# Altium PCB PCBDesign.PcbDoc (part 1 of 8)
Units mm, origin at the board's own origin, x right, y up, seen from the top; angles counter-clockwise.
Board outline 95 x 70 mm, 10 copper layers (L1 (Sig), L2 (GND), L3 (Sig), L4 (GND), L5 (Sig), L6 (GND), L7 (Sig), L8 (GND), L9 (PWR), L10 (Sig)), stack 1.566 mm thick; 290 components, 365 nets, 1923 pads, 1420 vias.
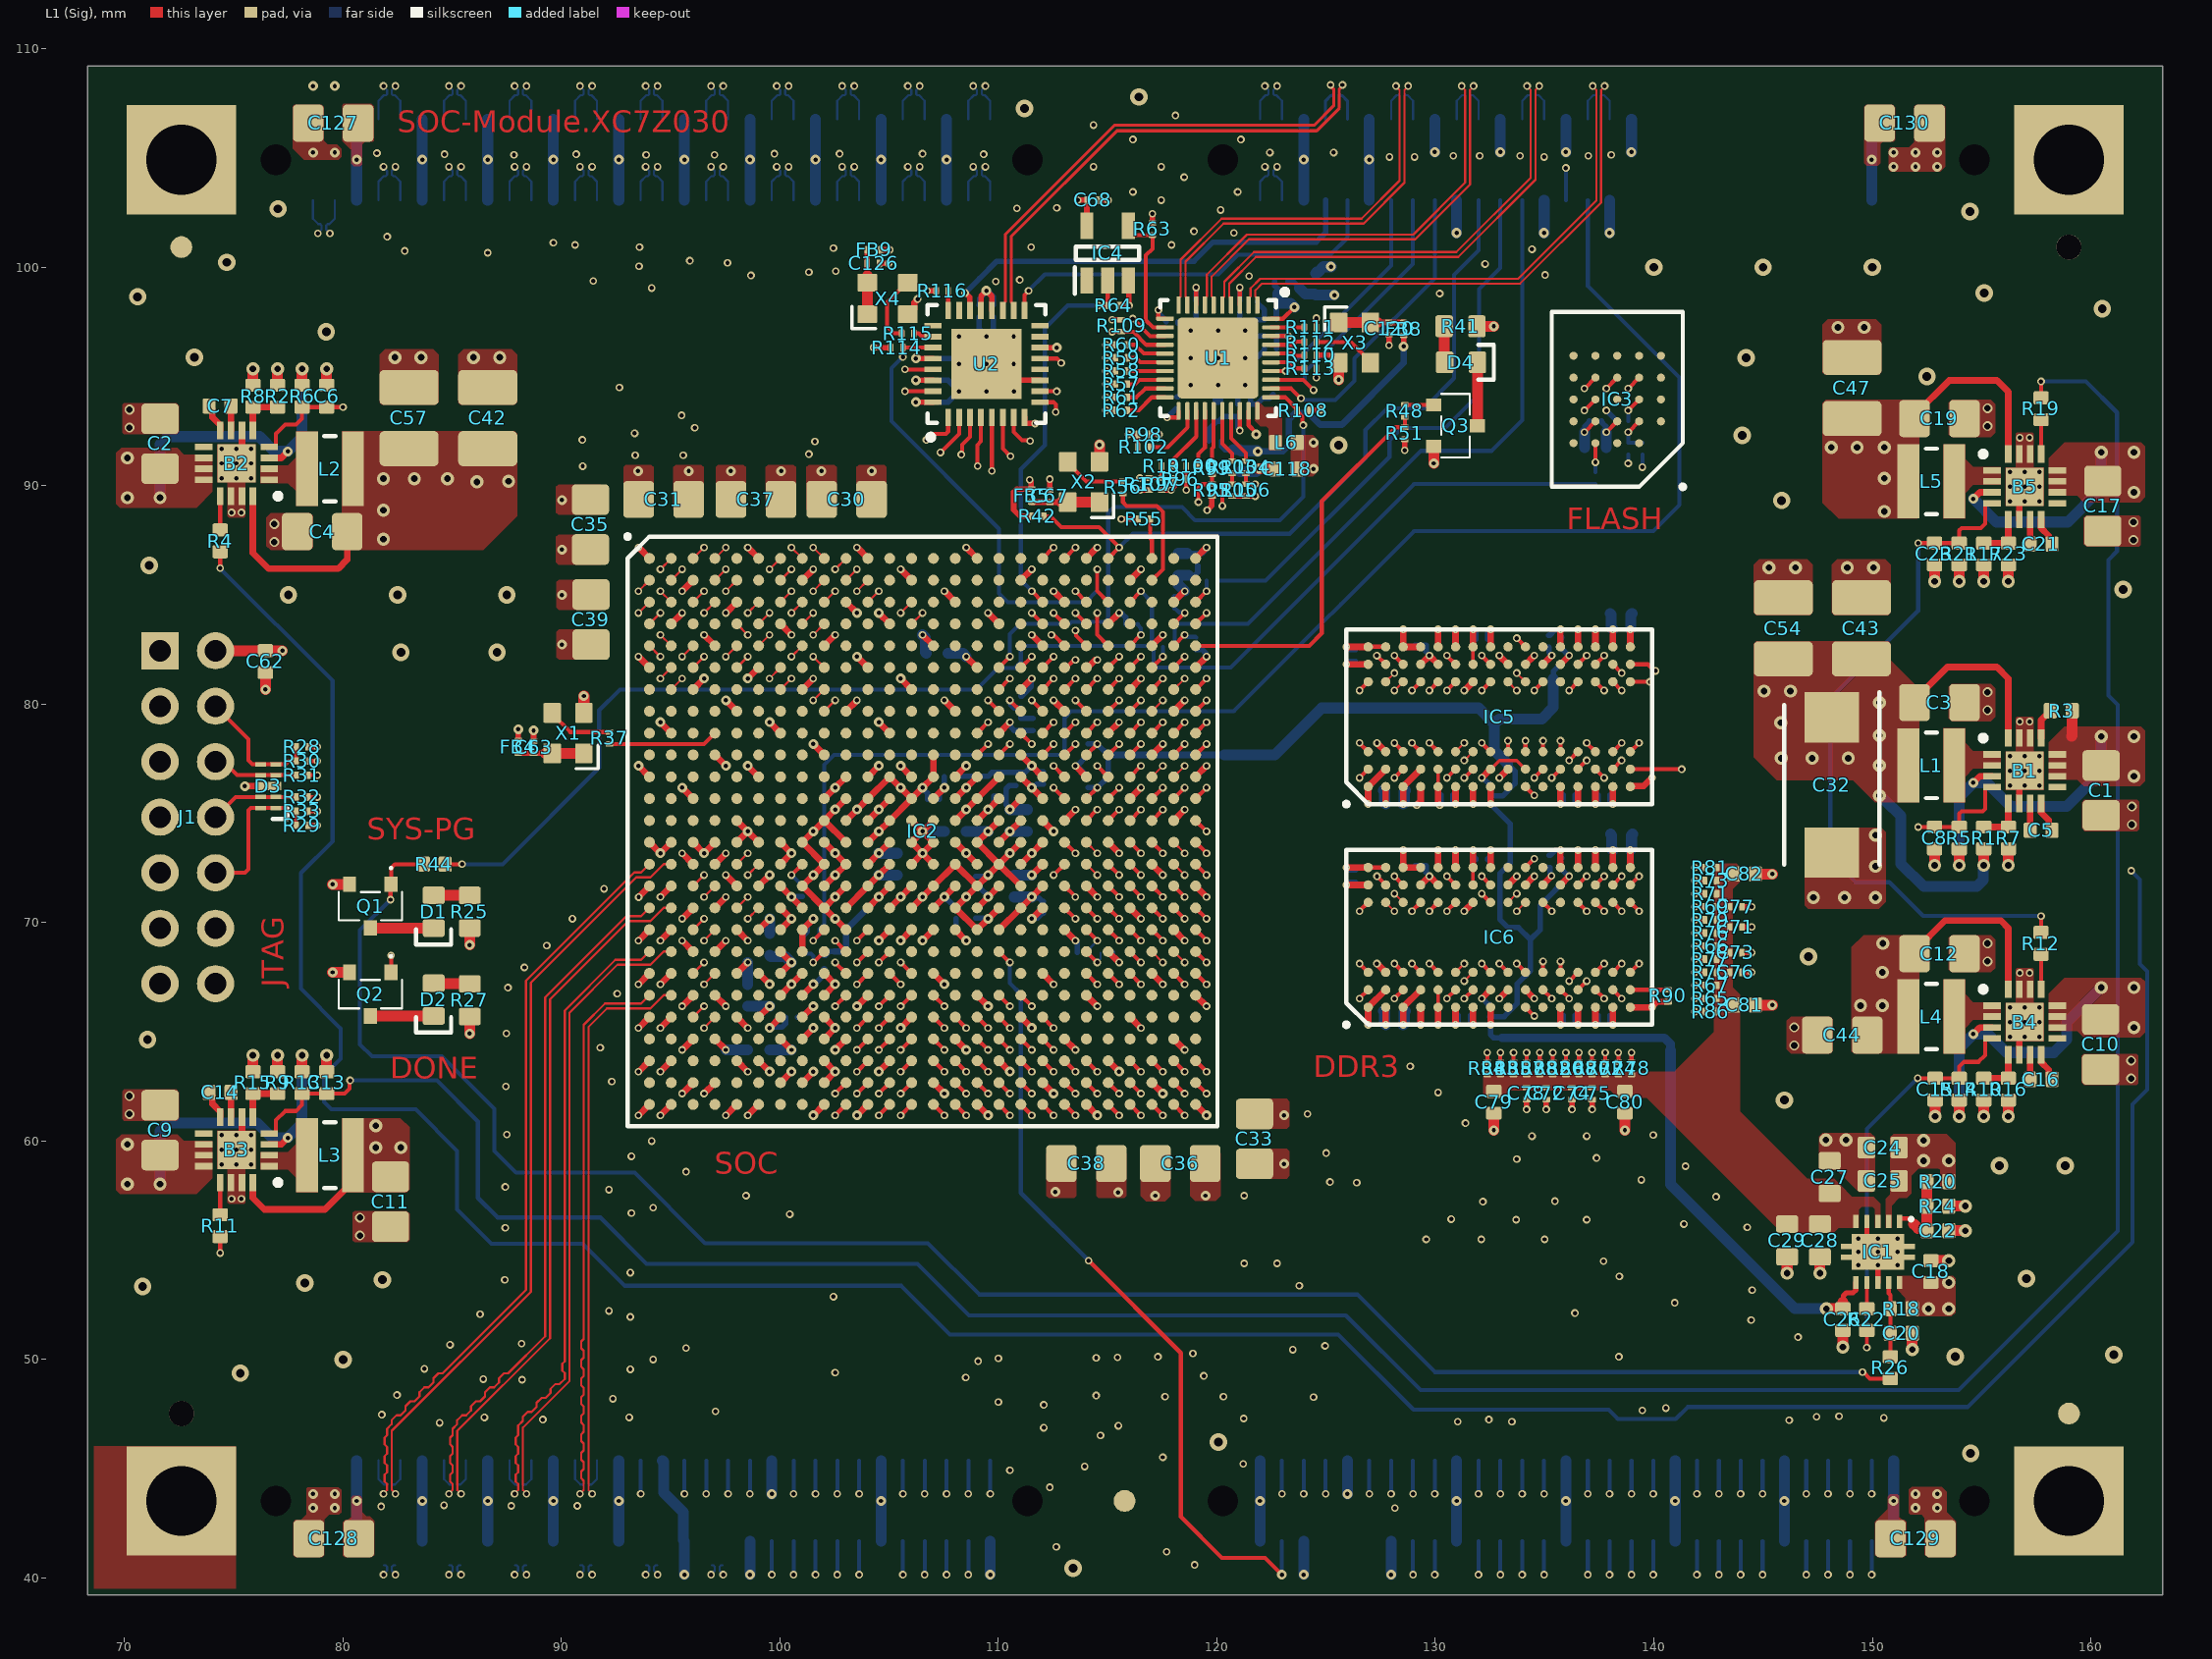
[diagram p0: L1 (Sig) view]
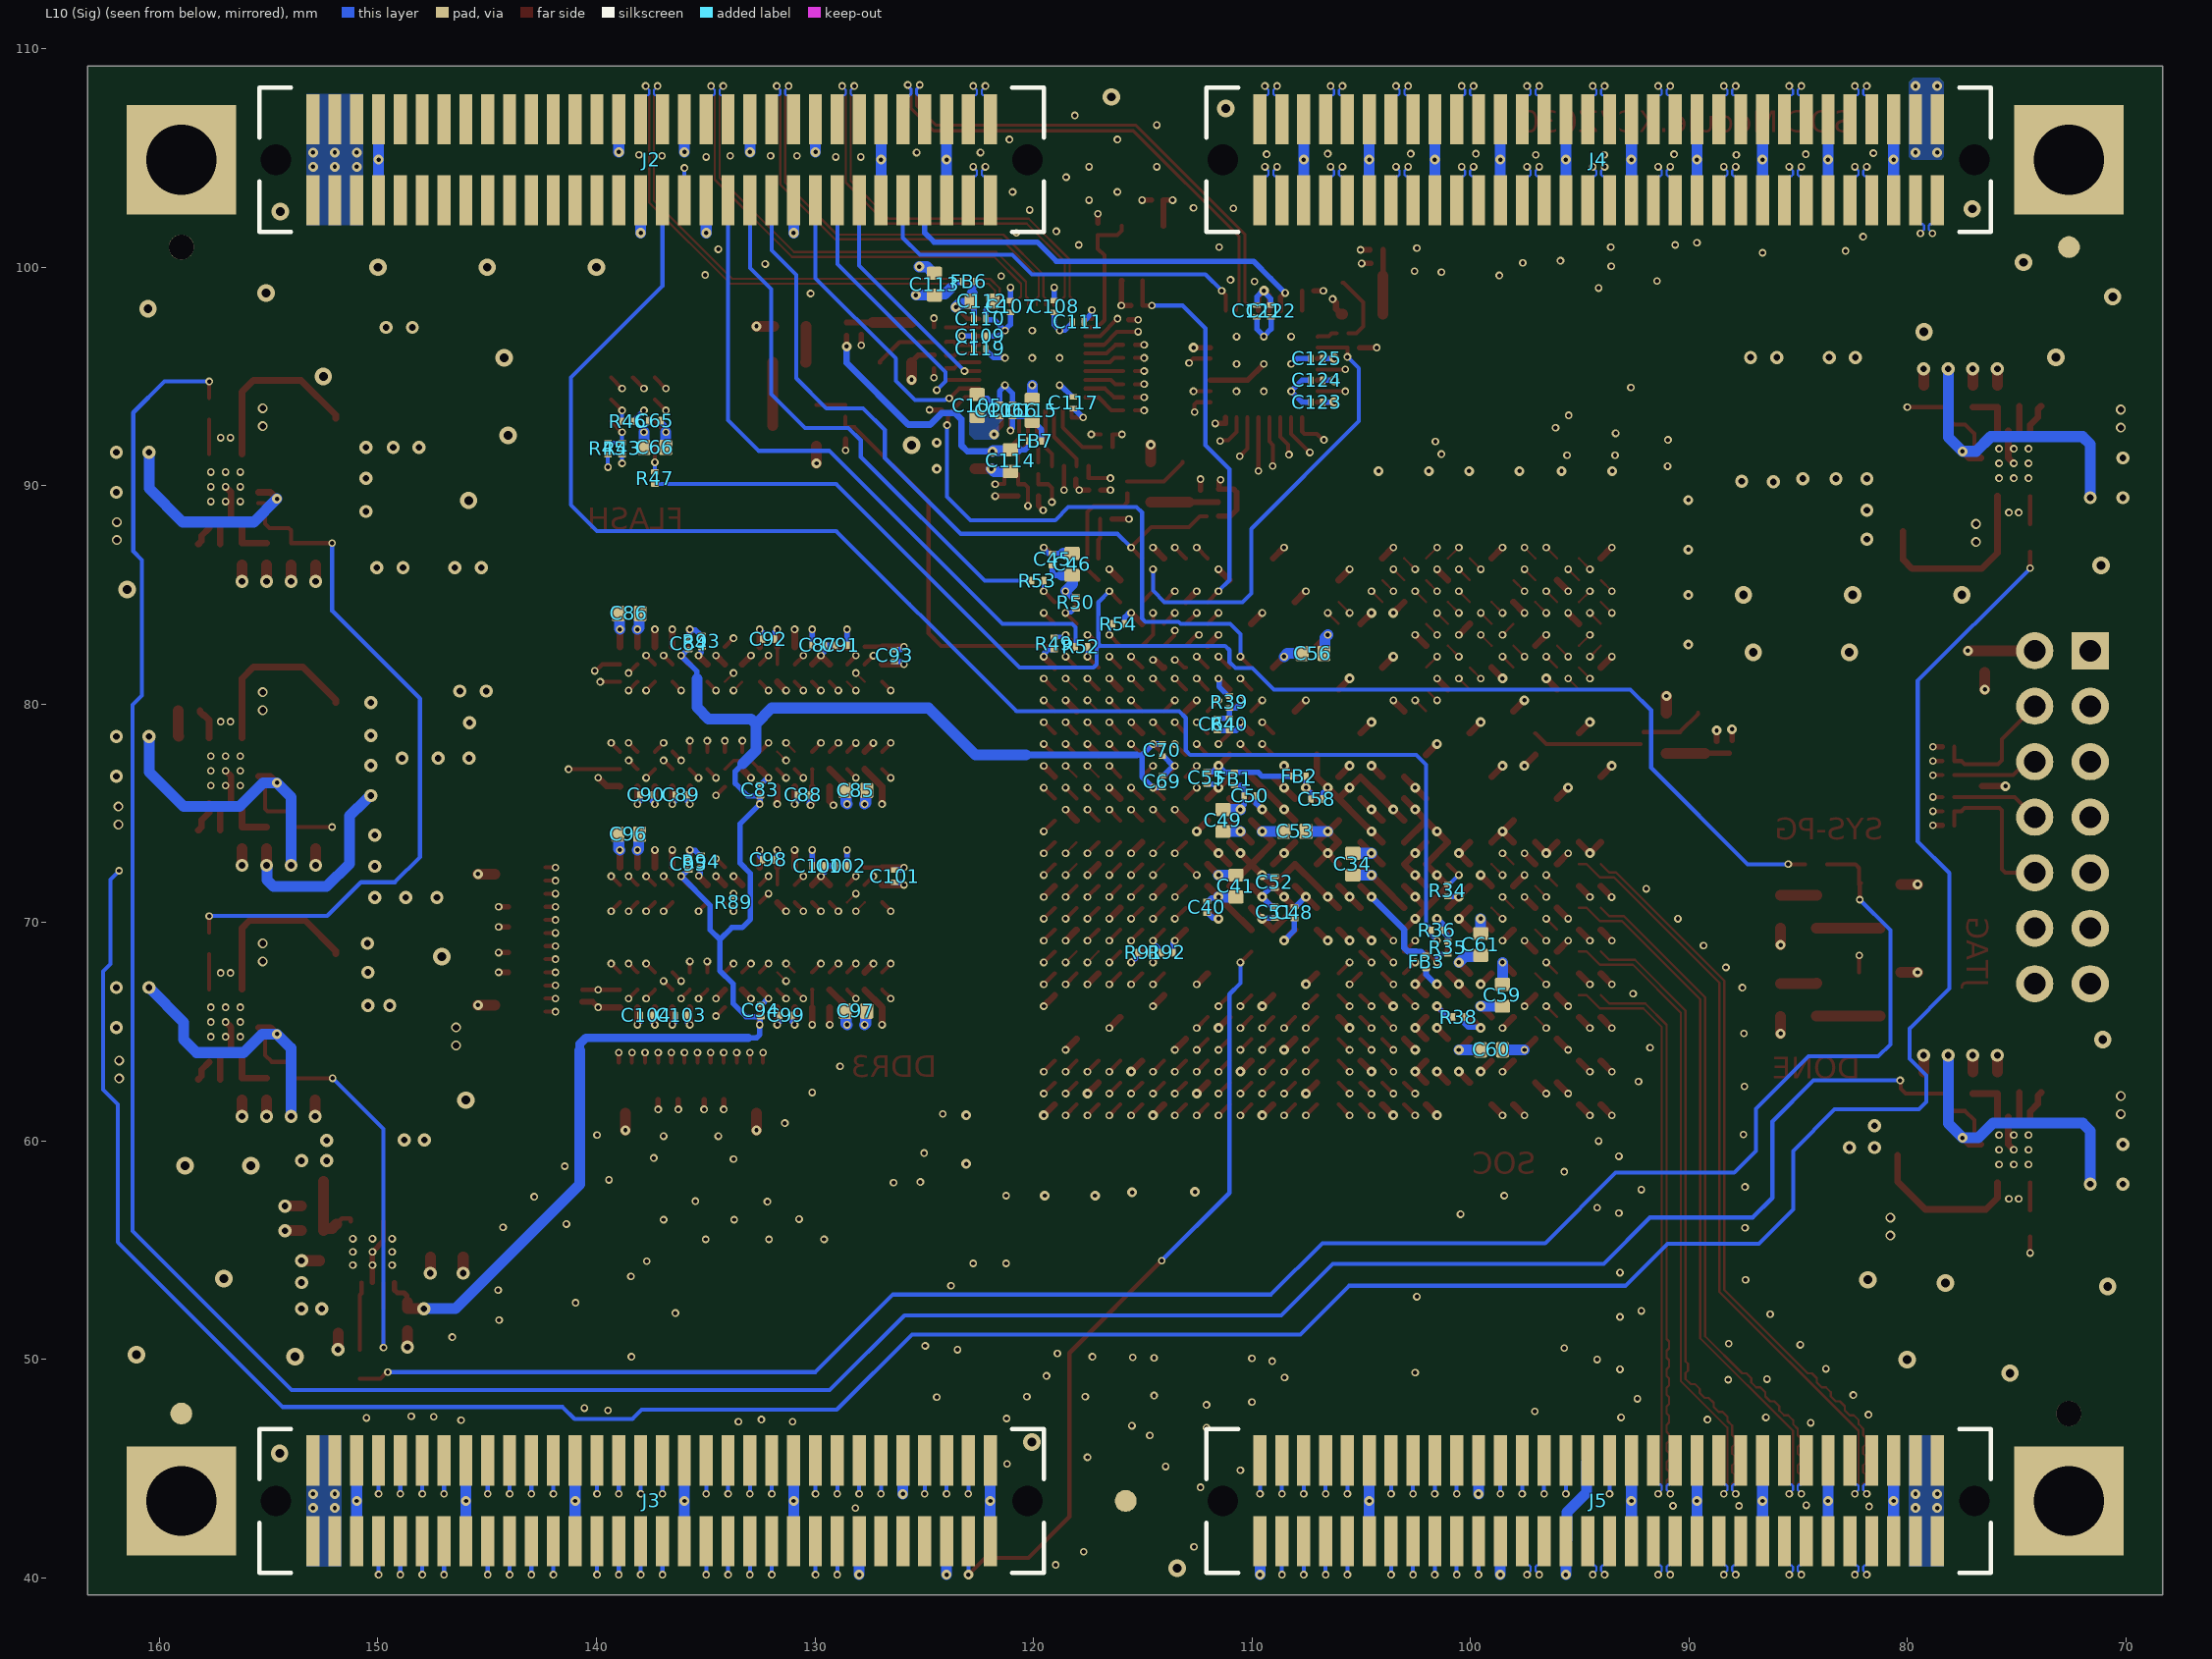
[diagram p1: L10 (Sig) view, seen from below]
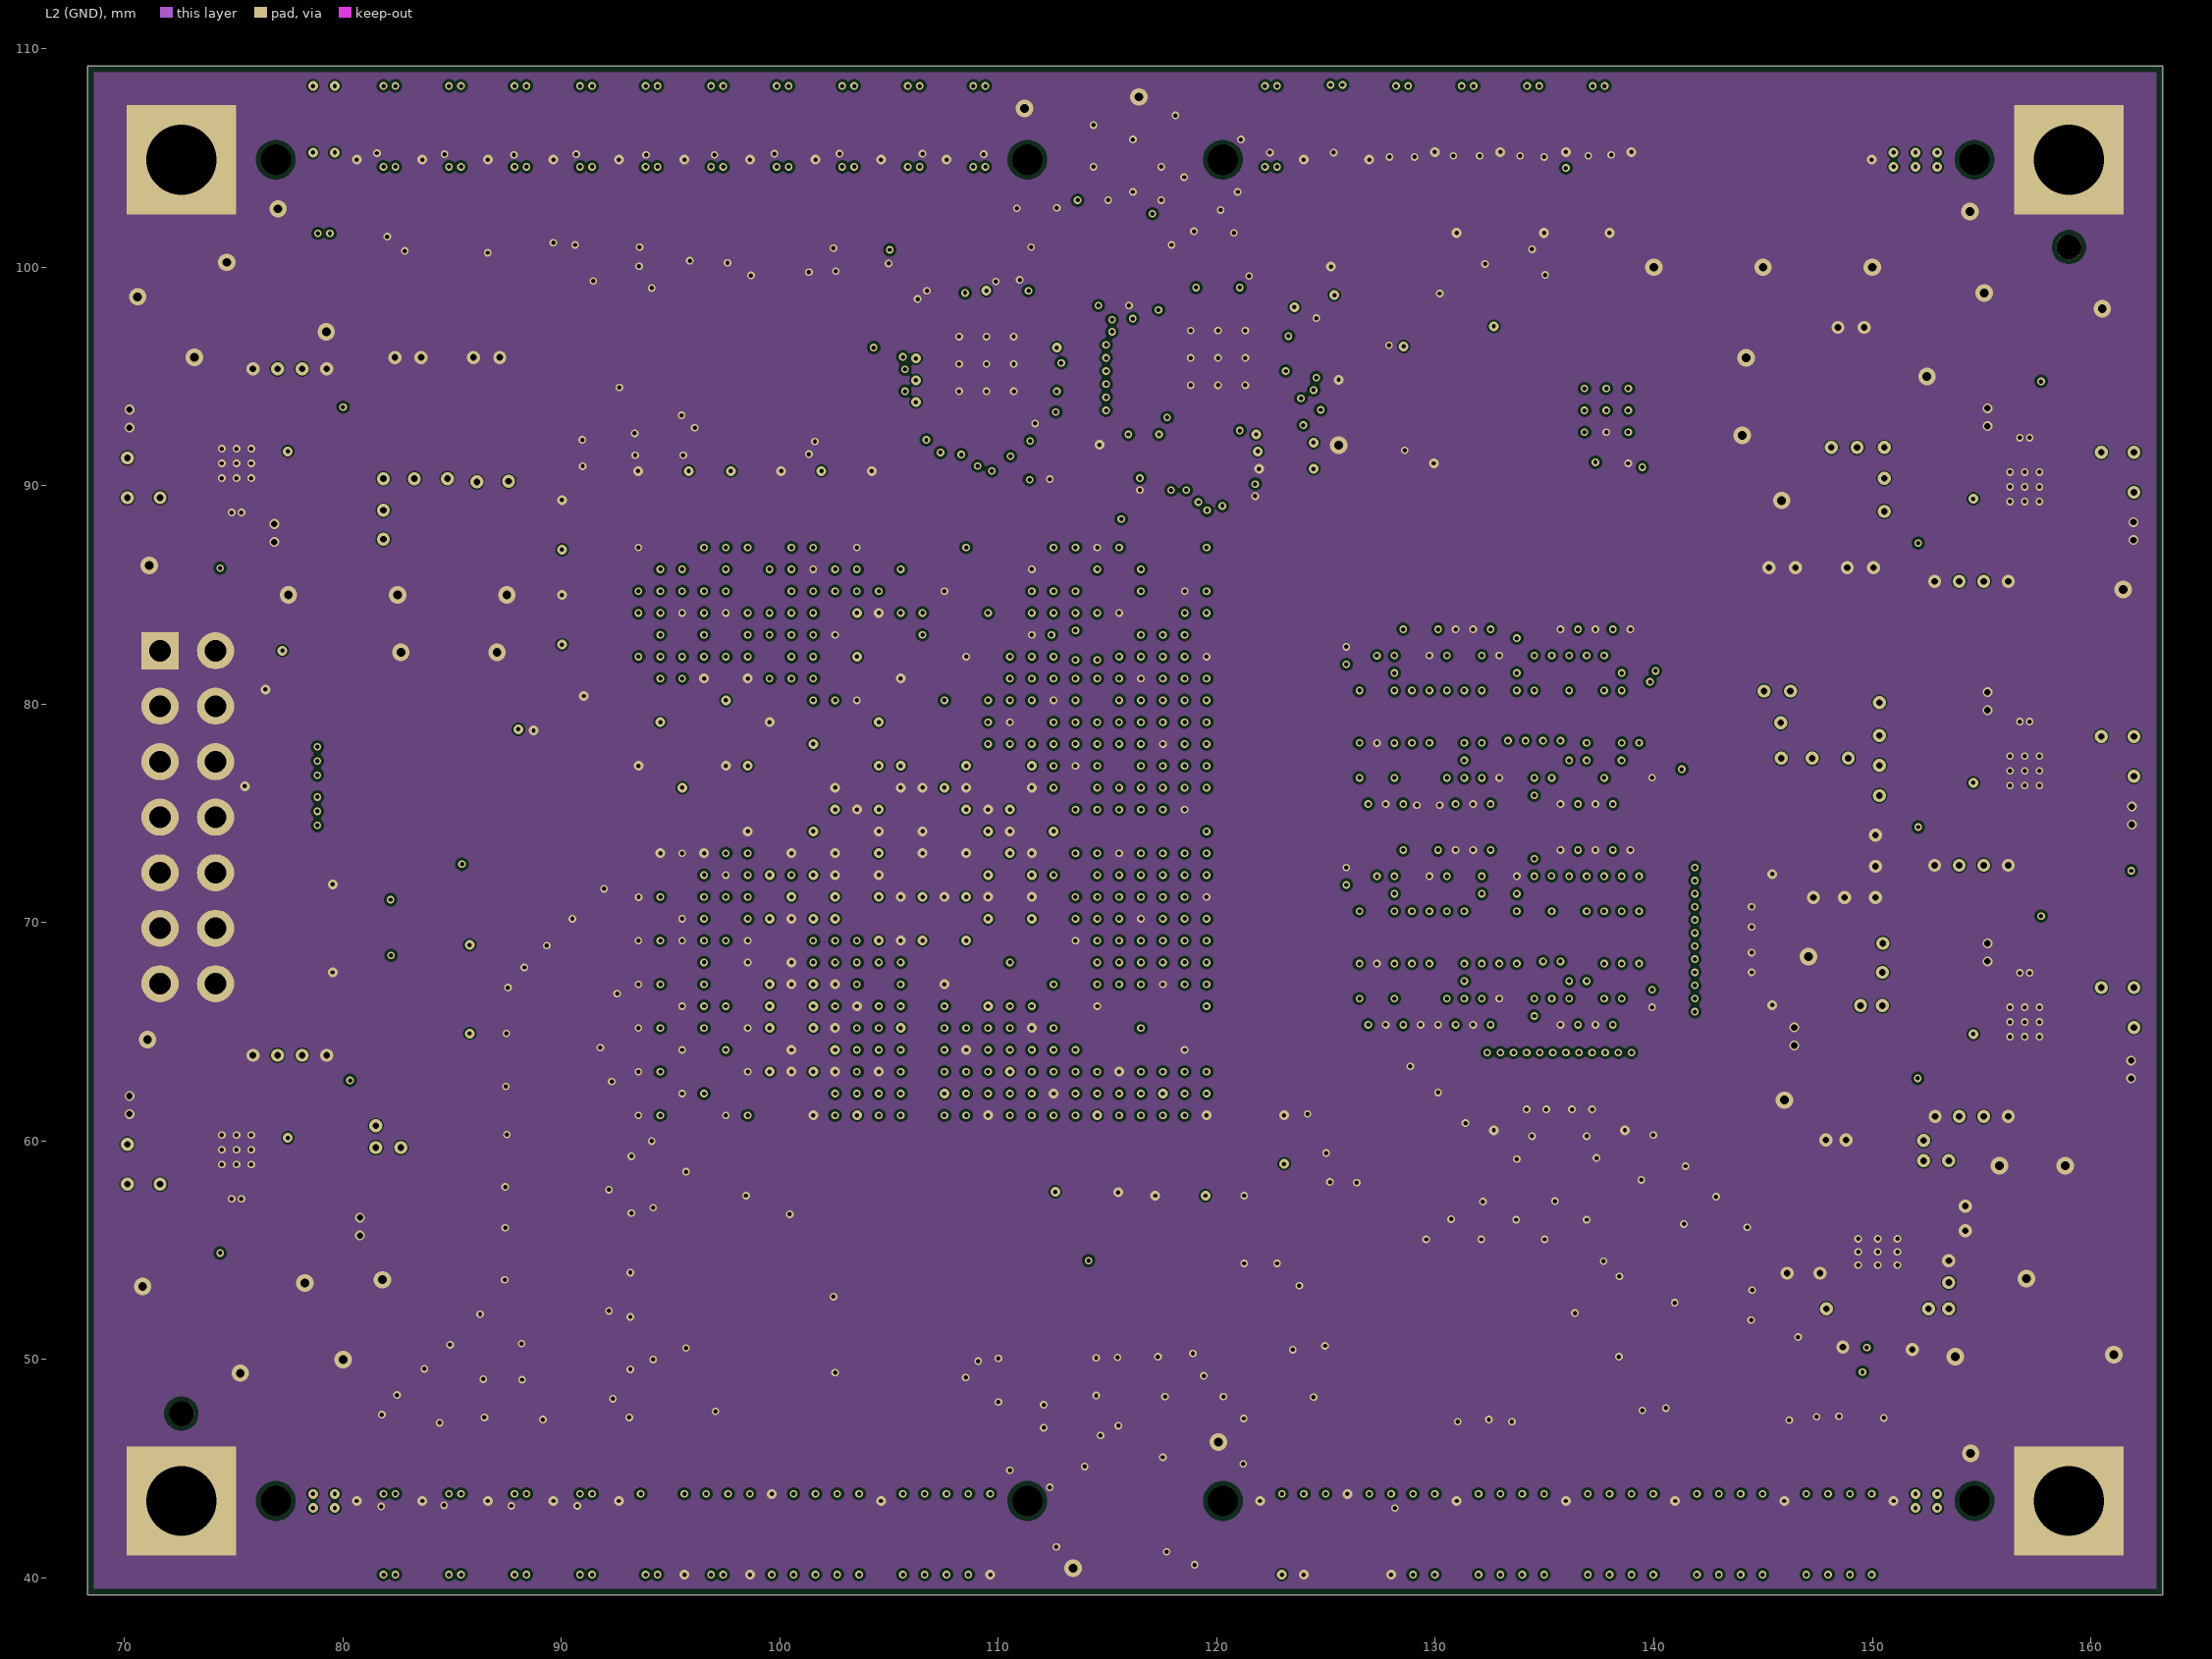
[diagram p2: L2 (GND)]
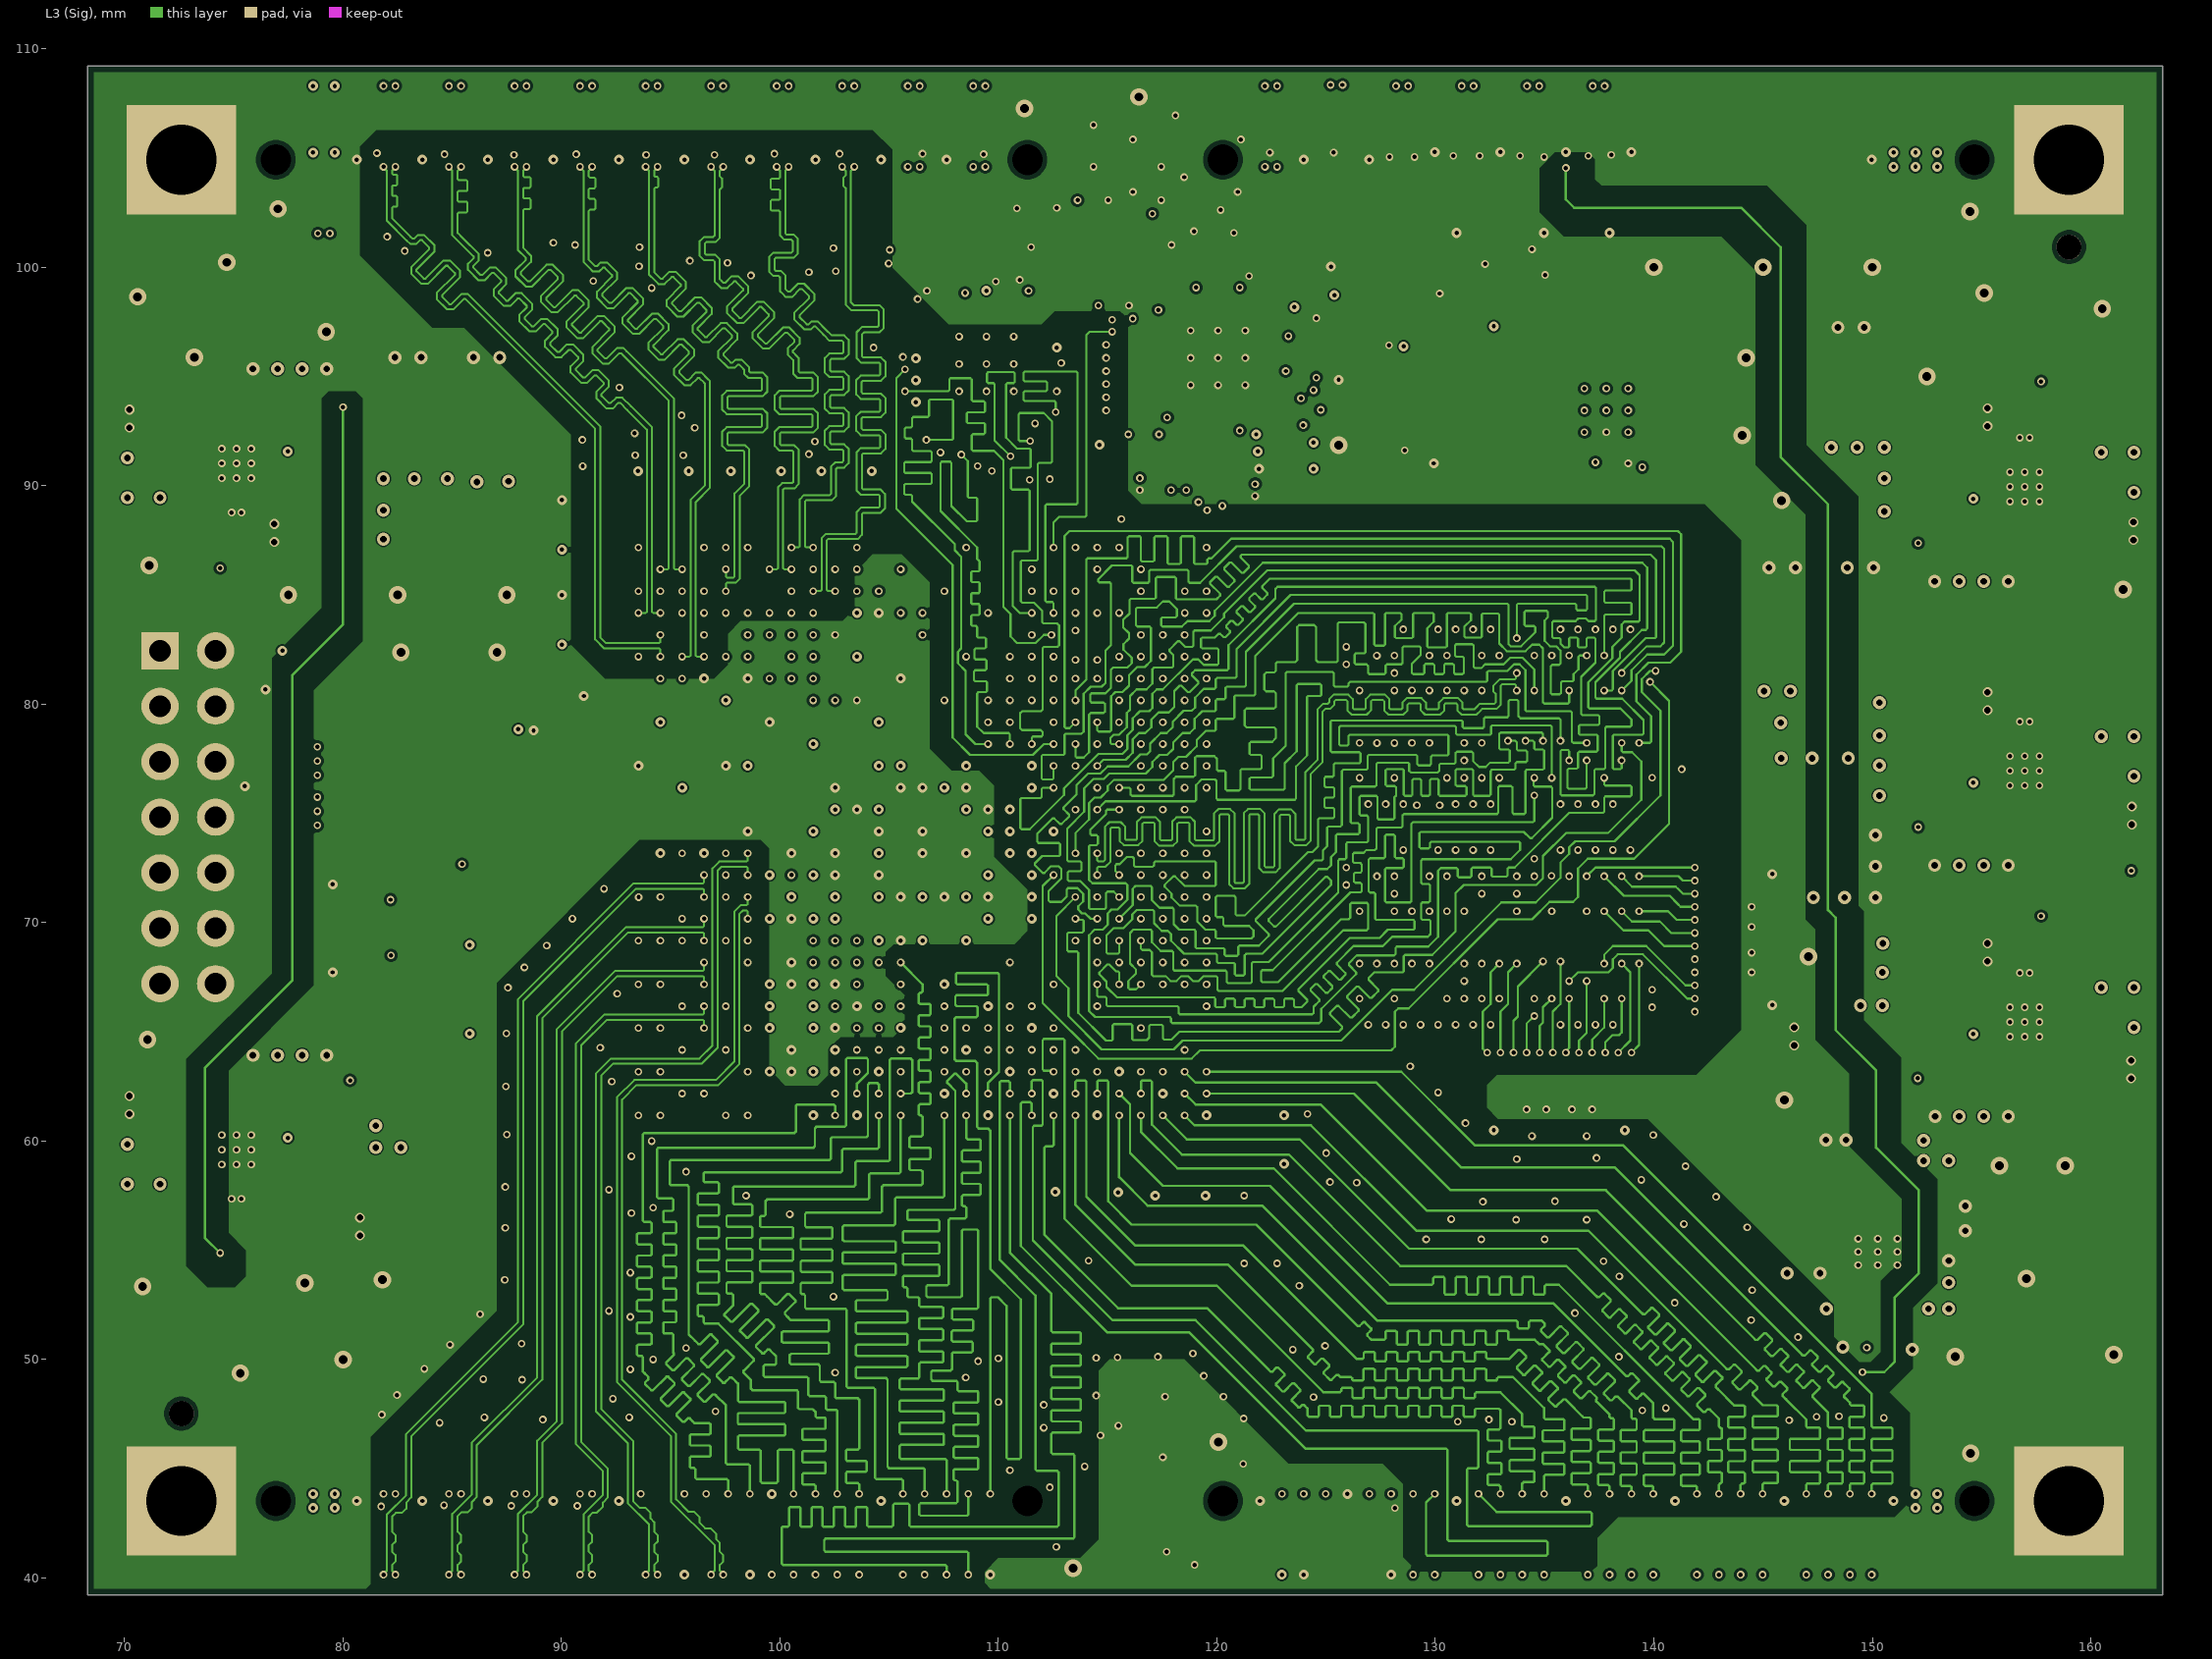
[diagram p3: L3 (Sig)]